# KiCad board s100_ColorMagic-1.0-001.kicad_pcb (continued)
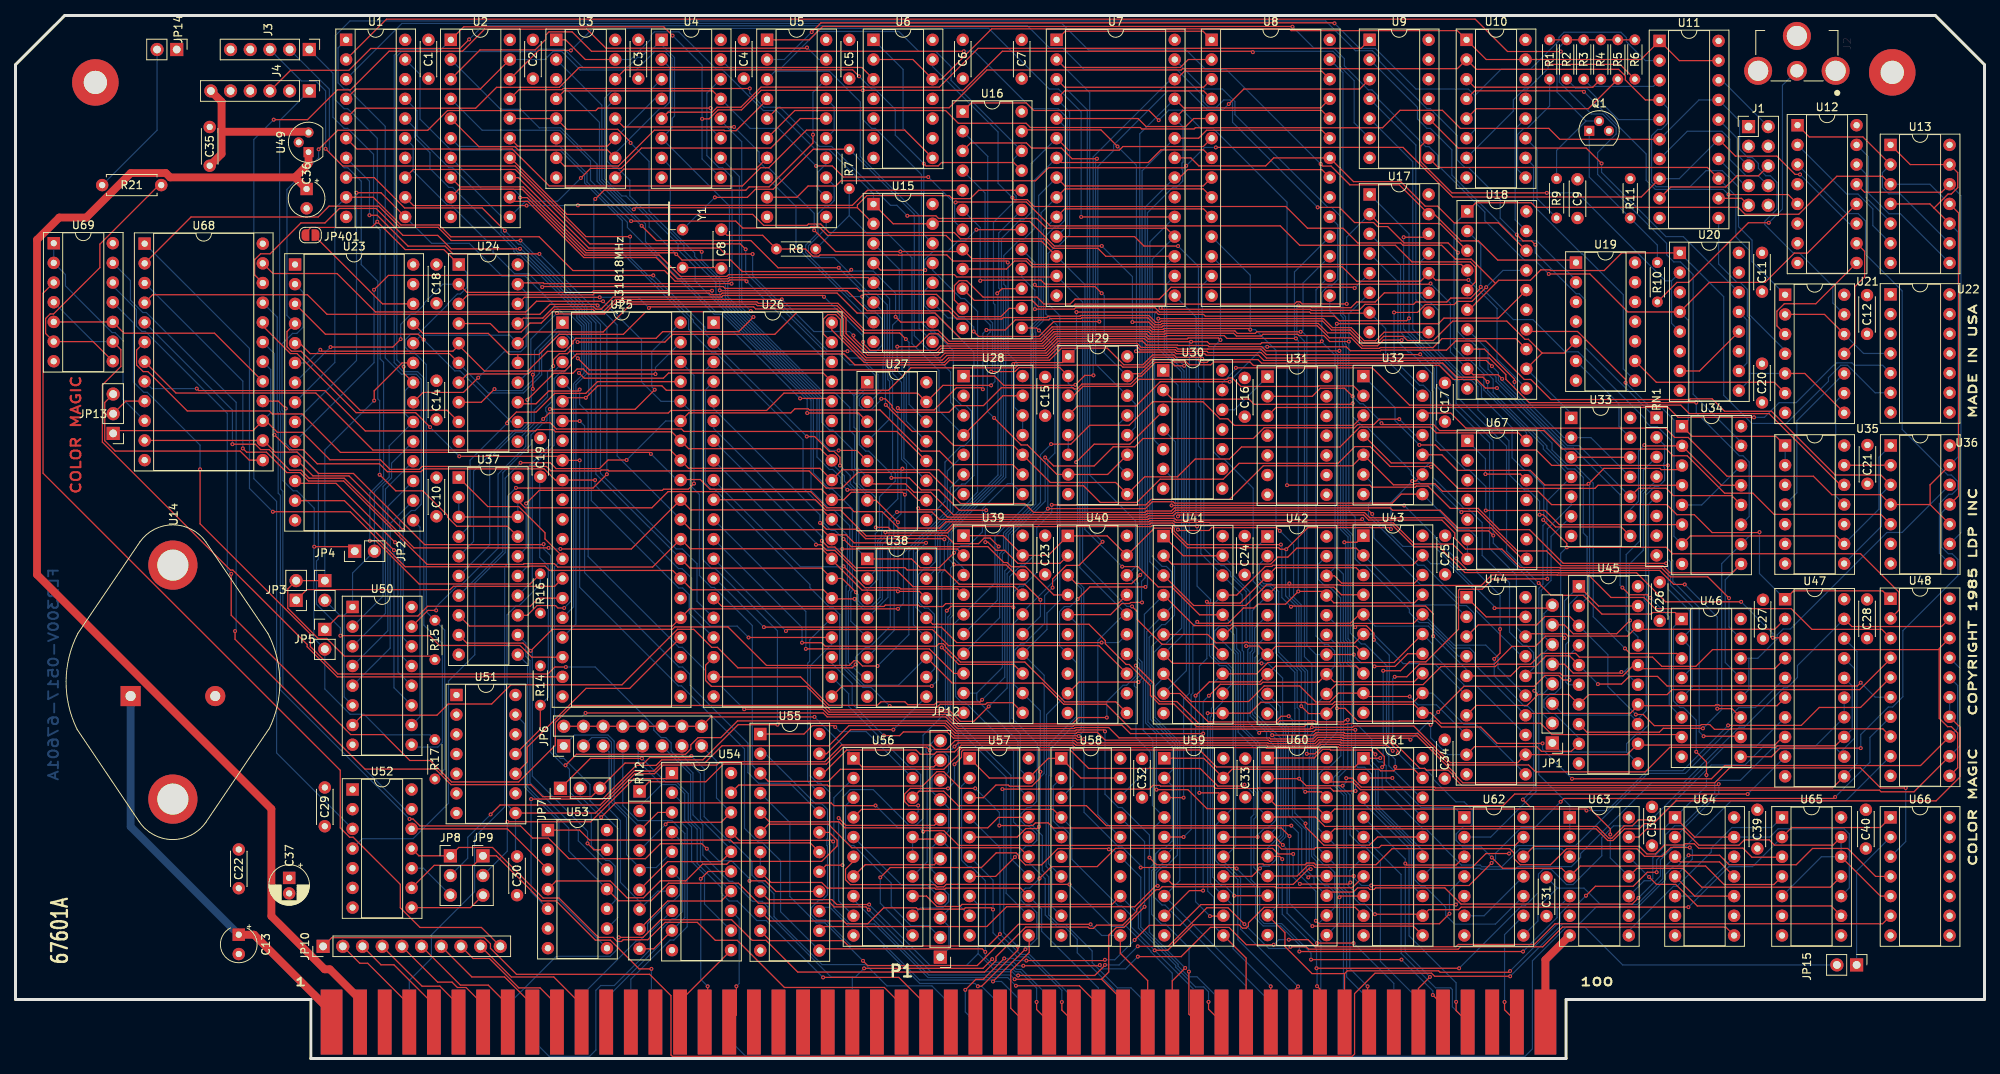
[diagram p0: board, top side]
## Routing (per net, layer and track width the routed paths; a pad name or vN(x,y) marks a point on that pad's centre or on a via; arc(x,y) is an arc through that point) (continued)
  Component w0.152: U47.11 234.42,34.94 183.18,34.94 183.08,35.03 173.6,35.03 172.45,36.18 v1(171.66,36.18) ; v1(171.2,35.21) 166.5,35.21 v1(165.59,36.12) 161.66,36.12 U60.2
  Copper w0.152: U47.18 237.55,52.55 237.55,38.07 U47.11 ; U42.2 160.44,63.77 160.44,61.85 161.02,61.27 161.96,61.27 162.96,60.28 162.96,52.43 165.33,50.06 165.33,45.32 165.59,45.06 v1(165.59,36.12) ; P1.95 180.98,7.64 176.07,12.55 176.07,25.36 174.11,27.32 173.71,27.32 172.16,28.87 172.16,34 171.2,34.96 v1(171.2,35.21) 171.66,35.67 v1(171.66,36.18)
DI1: length 151.6
  Component w0.152: v1(163.49,27.56) 162.42,28.63 U60.5 ; v1(162.11,41.73) 167.43,41.73 167.76,42.06 171.41,42.06 171.52,41.95 180.92,41.95 184.98,37.89 195.19,37.89 196.08,36.99 210.24,36.99 213.39,40.15 227.07,40.15 227.28,40.36 234.76,40.36 U47.13 ; v1(172.6,14.9) v1(167.9,14.9)
  Copper w0.152: v1(167.9,14.9) 164.03,18.77 164.03,27.02 v1(163.49,27.56) ; U42.5 159.85,55.56 159.85,52.52 159.57,52.25 159.57,44.4 162.11,41.87 v1(162.11,41.73) 162.87,40.97 162.87,29.98 U60.5 ; U47.16 236.94,48.08 236.94,42.54 U47.13 ; v1(172.6,14.9) 177.8,9.7 P1.94
DI2: length 144.9
  Component w0.152: v1(167.83,11.65) v1(186.23,11.65) ; U60.6 163.05,26.09 v1(163.41,25.74) ; P1.41 168.28,8.96 v1(167.9,9.34)
  Copper w0.152: v1(186.23,11.65) 194.27,19.69 194.71,19.69 196.46,21.43 196.46,23.8 197.08,24.42 198.11,24.42 200.08,22.46 200.92,22.46 204.63,26.16 204.63,28.51 206.15,30.03 210.89,30.03 218.74,37.88 223.09,37.88 225.58,40.36 232.22,40.36 U47.14 U47.15 ; U60.6 161.53,27.15 163.23,28.85 163.23,41.34 162.22,42.35 162.14,42.35 159.88,44.61 159.88,51.74 160.37,52.23 160.37,53.54 U42.6 ; v1(163.41,25.74) 163.41,18.62 167.83,14.2 v1(167.83,11.65) 167.9,11.58 v1(167.9,9.34)
DI3: length 144.9
  Component w0.152: 171.45,10.96 171.8,11.32 183.58,11.32 183.77,11.13 192.64,11.13 v1(192.8,11.29) ; 171.45,10.96 167.25,10.96 163.76,14.45 163.76,16.24 U60.9 ; 171.45,10.96 P1.42 ; v1(202.59,21.02) 203.8,22.23 208.69,22.23 210.5,24.04 v1(211.71,24.04)
  Copper w0.152: 235.37,39.49 237.24,41.36 237.24,50.32 U47.17 ; 235.37,39.49 U47.12 ; 235.37,39.49 234.87,39.99 226.59,39.99 222.51,35.9 219.52,35.9 219.2,35.58 219.2,34.25 214.99,30.04 214.01,30.04 212.84,28.87 212.84,26.75 211.71,25.62 v1(211.71,24.04) ; v1(202.59,21.02) 201.46,19.88 200.45,19.88 199.23,18.66 199.23,17.72 v1(192.8,11.29) ; U42.9 163.15,45.41 163.15,43.32 163.85,42.62 163.85,28.61 162.92,27.68 162.92,19.86 U60.9
DI4: length 148.5
  Component w0.152: 169.12,47.06 170.32,48.26 181.57,48.26 183.9,50.59 190.88,50.59 191.19,50.89 195.46,50.89 196.85,52.29 201.26,52.29 201.74,51.81 211.18,51.81 212.37,50.62 216.76,50.62 218.92,52.78 248.16,52.78 ; 248.16,52.78 248.16,52.92 U48.18 ; 248.16,52.78 248.16,43.91 249.24,42.83 249.73,42.83 250.54,42.02 250.54,37.52 U48.11
  Copper w0.152: P1.91 168.38,4.81 168.38,15.1 168.09,15.4 168.09,17.41 U60.12 170.17,19.5 170.17,21.45 169.34,22.28 168.91,22.28 167.81,23.38 167.81,25.47 167.2,26.08 167.2,38.82 167.38,39 167.38,41.49 168.07,42.18 168.07,46.01 169.12,47.06
DI5: length 147.2
  Component w0.152: v1(170.46,45.2) 171.51,45.2 173.17,43.53 178.48,43.53 178.5,43.55 183.18,43.55 183.95,42.79 189.01,42.79 191.13,40.67 v1(196.99,40.67) ; v1(200.79,36.1) 218.77,36.1 220.48,37.81 245.75,37.81 U48.13
  Copper w0.152: U48.13 250.54,42.6 250.54,48.14 U48.16 ; v1(200.79,36.1) 196.99,39.9 v1(196.99,40.67) ; P1.92 171.31,4.84 171.31,21.2 170.48,22.02 170.48,24.76 U60.15 167.81,27.43 167.81,38.56 167.99,38.74 167.99,39.61 170.46,42.08 v1(170.46,45.2) 170.46,53.34 169.12,54.68
DI6: length 154.5
  Component w0.152: U48.14 250.84,42.76 250.84,36.34 247.75,33.25 214.22,33.25 211.28,30.32 210.13,30.32 209.46,29.65 207.57,29.65 206.05,28.13 205.4,28.13 203.88,29.65 170.16,29.65 U60.16
  Copper w0.152: U48.15 U48.14 ; 169.12,57.22 170.37,55.97 170.37,53.94 170.85,53.46 170.85,50.97 170.97,50.85 170.97,39.07 169.38,37.48 168.87,37.48 168.12,36.73 168.12,29.66 U60.16 170.79,26.99 170.79,22.15 171.71,21.22 171.71,10.52 174.62,7.6 P1.93
DI7: length 162.3
  Component w0.152: U48.12 244.91,34.43 240.66,34.43 240.45,34.63 183.05,34.63 182.98,34.7 173.5,34.7 172.5,35.7 169.69,35.7 U60.19 ; v1(174.42,9.31) 174.42,4.91 P1.43
  Copper w0.152: 170,36.25 170,35.29 171.35,33.95 171.35,22.01 172.12,21.25 172.12,11.61 v1(174.42,9.31) ; 170,36.25 U60.19 ; 170,36.25 171.31,37.55 171.31,51 171.19,51.12 171.19,53.58 170.94,53.84 170.94,59.45 169.36,61.03 168.88,61.03 168.07,61.85 168.07,63.78 169.12,64.84 ; U48.17 250.84,50.38 250.84,40.36 U48.12
DISPEN: length 130.6
  Component w0.152: v1(125.54,45.44) 123.61,43.51 121.88,43.51 120.38,45.01 105.08,45.01 102.07,48.03 89.78,48.03 89.02,48.79 89.02,50.76 U26.18 ; v1(178.51,82.52) 175.92,82.52 175.22,81.82 173.13,81.82 172.73,81.41 161.08,81.41 159.69,80.02 145.46,80.02 144.39,78.95 141.61,78.95 139.14,76.48 133.92,76.48 v1(132.83,77.58)
  Copper w0.152: v1(132.83,77.58) 132.83,71.93 128.52,67.62 128.52,63.18 127.92,62.58 127.92,47.82 v1(125.54,45.44) ; v1(178.51,82.52) 180.57,80.46 U32.11
DO0: length 112.8
  Component w0.152: U41.2 149.18,63.81 161.93,63.81 162.83,64.71 164.13,64.71 165.28,65.87 172.95,65.87 U43.2 ; v1(151.36,11.21) 151.36,5.74 P1.36
  Copper w0.152: U43.2 180.28,58.54 185.64,58.54 U44.2 ; v1(151.36,11.21) 151.39,11.23 151.39,14.3 148.35,17.34 147.83,17.34 146.56,18.61 146.56,24.23 147.08,24.75 147.08,26.43 147.79,27.14 148.26,27.14 149.23,28.11 149.23,35.18 U59.2 149.23,37.24 149.23,40.3 146.08,43.44 146.08,48.44 146.24,48.59 146.24,54.37 147.87,56 148.31,56 149.51,57.2 149.51,63.48 U41.2
DO1: length 104.3
  Component w0.152: v1(150.89,11.69) 149.23,10.02 P1.35 ; U43.5 173.35,57.32 172.21,56.18 157.03,56.18 156.72,55.87 152.04,55.87 U41.4
  Copper w0.152: v1(150.89,11.69) 150.88,11.69 146.25,16.31 146.25,24.57 146.77,25.09 146.77,29.7 U59.4 146.66,32.67 146.66,37.49 146.71,37.54 146.71,41.12 145.47,42.36 145.47,48.69 145.63,48.84 145.63,57.34 U41.4 ; U44.4 186.16,51.92 182.27,55.81 175.39,55.81 U43.5
DO2: length 101.7
  Component w0.152: U43.6 172.75,53.65 159.02,53.65 158.95,53.72 158.55,53.72 158.48,53.65 154.86,53.65 153.79,54.73 U41.6
  Copper w0.152: U41.6 146.54,53.17 146.54,48.46 146.39,48.31 146.39,43.78 149.58,40.59 149.58,27.43 U59.6 148.2,25.44 146.86,24.1 146.86,20.85 147.91,19.81 148.28,19.81 158.75,9.34 P1.88 ; U44.6 183.05,50.97 179.01,50.97 175.2,54.78 U43.6
DO3: length 98.2
  Component w0.152: v1(179.85,46.72) 174.32,46.72 U43.9 170.68,47.16 169.55,46.03 167.73,46.03 165.67,48.09 161.08,48.09 159.06,46.07 151.68,46.07 U41.8
  Copper w0.152: v1(179.85,46.72) 180.92,45.65 183.29,45.65 U44.8 ; U41.8 148.1,49.16 147.01,48.07 147.01,44.02 150.19,40.84 150.19,22.96 U59.8 161.93,7.24 P1.89
DO4: length 88.6
  Component w0.152: U59.11 158.75,12.96 P1.38 ; U43.12 180.37,46.03 170.16,46.03 169.85,45.72 166.67,45.72 166.41,45.98 160.64,45.98 159.23,44.57 U41.11 v1(153.79,44.57)
  Copper w0.152: U43.12 182.82,47.16 186.85,43.13 188.35,43.13 U44.11 ; U59.11 154.57,17.14 154.57,20.82 153.79,21.6 v1(153.79,44.57)
DO5: length 96.1
  Component w0.152: P1.39 v1(161.93,9.31) ; U41.13 160.1,49.65 161.56,51.11 177.83,51.11 U43.15
  Copper w0.152: U44.13 188.45,48.11 186.97,48.11 182.75,52.33 182.75,53.53 U43.15 ; v1(161.93,9.31) 157.08,14.15 157.08,19.71 U59.13 154.13,22.66 154.13,44.06 154.27,44.21 154.27,45.18 154.43,45.34 154.43,48.36 U41.13
DO6: length 100.8
  Component w0.152: v1(165.44,9.3) 165.1,8.95 P1.40 ; U43.16 180.34,56.16 172.62,56.16 172.33,55.86 157.15,55.86 156.01,54.73 U41.15
  Copper w0.152: U41.15 155.72,53.86 157.39,52.19 157.39,27.41 156.03,26.05 ; U44.15 191.24,50.4 191.24,51.78 189.66,53.35 185.59,53.35 181.62,57.32 U43.16 ; 156.03,26.05 U59.15 ; 156.03,26.05 156.03,25.25 158.03,23.25 158.03,16.71 v1(165.44,9.3)
DO7: length 110.8
  Component w0.152: U41.17 157.53,59.81 161.23,63.51 162.06,63.51 162.22,63.67 180.23,63.67 U43.19
  Copper w0.152: U44.17 194.31,51.92 188.31,57.92 188.31,60.37 184.81,63.87 182.57,63.87 U43.19 ; U41.17 154.38,58.47 154.38,52.07 155.32,51.13 156.19,51.13 157.08,50.24 157.08,32.39 U59.17 154.79,30.1 154.79,25.57 155.47,24.89 155.9,24.89 157.68,23.1 157.68,15.34 165.1,7.93 P1.90
DOTCLK: length 283.1
  Component w0.152: 196.93,91.05 199.78,91.05 U19.5 ; 196.93,91.05 U18.12 ; 196.93,91.05 195.16,92.83 194.71,92.83 192.37,95.17 185.4,95.17 182.9,92.67 179.56,92.67 179.01,93.21 176.49,93.21 175.62,92.34 173.86,92.34 172.18,94.03 169.76,94.03 168.61,95.18 147.79,95.18 147.62,95.01 147.1,95.01 146.21,95.9 137.41,95.9 137.31,95.81 133.19,95.81 133.02,95.64 127.43,95.64 127.23,95.44 121.45,95.44 120.38,96.51 109.86,96.51 107.28,99.1 90.9,99.1 v1(90.84,99.15) ; v1(108.37,50.86) 107.94,50.43 93.19,50.43 90.54,53.07 89.82,53.07 87.49,55.4 85.4,55.4 78.24,48.23 63.9,48.23 61.43,45.76 55.82,45.76 54.37,44.31 44.75,44.31 U50.7 ; v1(113.83,69.22) 111.01,72.04 U27.7
  Copper w0.152: U4.7 84.47,115.12 84.47,107.1 87.61,103.96 87.61,103.53 90.84,100.3 v1(90.84,99.15) 90.84,98.49 104,85.33 104,82.13 105.01,81.12 105.44,81.12 107.9,78.66 107.9,75.93 108.14,75.69 108.14,74.38 109.88,72.64 U27.7 ; v1(113.83,69.22) 113.83,67.06 112.85,66.08 112.85,55.78 110.12,53.05 109.64,53.05 108.37,51.78 v1(108.37,50.86) ; U33.1 200.68,83.24 U18.12
DOTD0: length 33.1
  Component w0.152: v1(50.04,68.18) 43.02,75.2 38.37,75.2 36.49,77.08 U23.11
  Copper w0.152: U50.14 50.01,54.29 50.01,68.14 v1(50.04,68.18)
DOTD1: length 35.6
  Component w0.152: v1(48.97,66.62) 41.35,74.23 36.37,74.23 U23.12
  Copper w0.152: U50.12 49.33,49.89 49.33,66.26 v1(48.97,66.62)
DOTD2: length 36.4
  Component w0.152: v1(48.82,65.61) 42.43,72 U23.13
  Copper w0.152: U50.11 48.82,47.86 v1(48.82,65.61)
DOTD3: length 27.2
  Copper w0.152: U50.10 52.18,44.12 52.18,68.58 U23.15
DOTD4: length 27.1
  Copper w0.152: U50.5 48.33,52.97 48.33,69.03 U23.16
DOTD5: length 27.1
  Copper w0.152: U50.4 48.03,55.21 48.03,71.27 U23.17
DOTD6: length 27.1
  Copper w0.152: U23.18 47.72,73.5 47.72,57.44 U50.3
DOTD7: length 27.1
  Copper w0.152: U50.2 47.42,59.68 47.42,73.84 48.51,74.93 48.51,76.83 U23.19
ENABLE_BLINK: length 174.4
  Component w0.152: U19.1 200.98,103.05 191.2,103.05 188.73,105.53 186.47,105.53 183.02,108.98 U17.15 178.52,112.76 172.13,112.76 169.71,115.18 168.65,115.18 v1(168.36,115.47)
  Copper w0.152: U1.3 49.84,133.59 134.98,133.59 138.4,130.17 151,130.17 153.51,127.67 156.16,127.67 v1(168.36,115.47)
FB1: length 29.7
  Component w0.152: U33.12 U33.3
  Copper w0.152: U18.7 189.96,91.42 189.96,88.98 190.99,87.95 190.99,87.39 200.68,77.7 U33.3
FB2: length 28.5
  Component w0.152: v1(193.37,87.32) 193.37,87.68 189.49,91.56 U18.8
  Copper w0.152: v1(193.37,87.32) 193.37,86.5 199.73,80.14 U33.2 203.22,80.14 U33.11
G: length 166.7
  Component w0.152: U5.6 100.52,122.35 119.98,122.35 121.62,120.71 130.37,120.71 130.91,120.16 145.1,120.16 145.29,119.98 152.04,119.98 152.2,120.14 176.36,120.14 178.6,122.38 184.07,122.38 186.4,120.05 197.8,120.05 199.21,118.64 U11.6
  Copper w0.152: U11.6 217.16,123.72 U11.17 222.4,121.02 222.4,117.36 223.48,116.28 224.07,116.28 224.83,115.52 224.83,114.9 225.8,113.93 226.38,113.93 227.23,113.08 227.23,109.64 225.66,108.06 225.66,107.64 229.34,103.95 230.14,103.95 234.44,99.66 234.44,97.5 U21.13
G_OUT: length 5.3
  Copper w0.152: J1.7 223.14,112.66 U11.14
GA0: length 71.2
  Component w0.152: U39.11 128.62,45.92 125.34,45.92 125.14,45.72 119.27,45.72 118.91,45.36 112.92,45.36 v1(112.77,45.51)
  Copper w0.152: v1(112.77,45.51) 110.39,47.89 109.31,47.89 106.33,50.87 106.33,57.31 105.49,58.15 105.11,58.15 102.48,60.78 102.48,61.18 90.16,73.5 89.75,73.5 88.98,74.27 88.98,86.28 U26.4
GA1: length 64.2
  Component w0.152: v1(119.48,53.06) 121.68,50.86 128.76,50.86 U39.13 ; v1(103.78,69.13) 104.6,68.31 108.44,68.31 109.66,67.09 119.74,67.09 v1(119.82,67.01)
  Copper w0.152: v1(119.48,53.06) 119.48,62.69 119.82,63.03 v1(119.82,67.01) ; v1(103.78,69.13) 103.78,70.15 90.06,83.88 U26.5
GA2: length 58
  Component w0.152: v1(132.22,59.2) 130.2,61.22 121.73,61.22 119.9,63.05 115.03,63.05 114.72,63.36 108.35,63.36 105.7,66.01 104.82,66.01 v1(104.02,66.81)
  Copper w0.152: U39.15 132.22,57.08 v1(132.22,59.2) ; U26.6 90.06,81.32 104.02,67.36 v1(104.02,66.81)
GA3: length 48.2
  Component w0.152: U39.17 128.87,60.91 115.76,60.91 113.7,62.97 108.31,62.97 105.7,65.57 104.66,65.57 103.92,66.32 v1(103.26,66.32)
  Copper w0.152: v1(103.26,66.32) 103.26,66.54 U26.7
GA4: length 37.3
  Component w0.152: U39.2 121.48,65.76 v1(106.64,65.76)
  Copper w0.152: U26.8 101.5,65.76 v1(106.64,65.76)
GA5: length 38.4
  Component w0.152: U39.4 121.55,60.61 114.2,60.61 114.03,60.77 109.57,60.77 v1(106.82,63.52)
  Copper w0.152: U26.9 101.26,63.46 106.76,63.46 v1(106.82,63.52)
GA6: length 53.1
  Component w0.152: v1(126.83,66.08) 125.73,67.17 124.95,67.17 124.23,66.45 121.08,66.45 120.03,67.5 112.65,67.5 112.6,67.45 109.74,67.45 106.41,70.77 104.54,70.77 103.19,72.12 U26.10
  Copper w0.152: U39.6 126.65,59.13 126.65,65.9 v1(126.83,66.08)
GA7: length 43.3
  Component w0.152: U39.8 121.06,49.7 117.89,52.87 v1(101.95,52.87)
  Copper w0.152: U26.11 101.95,57.69 v1(101.95,52.87)
GA8: length 64.1
  Component w0.152: U40.11 141.94,46.03 135.35,46.03 130.21,51.17 121.9,51.17 119.96,53.11 119.96,53.26 119.68,53.54 119.13,53.54 118.8,53.22 104.45,53.22 104,53.66 v1(101.46,53.66)
  Copper w0.152: v1(101.46,53.66) 101.46,55.64 U26.12
GA9: length 59.6
  Component w0.152: v1(99.38,55.18) 99.58,55.37 118.28,55.37 120.36,53.29 139.75,53.29 U40.13
  Copper w0.152: U26.13 v1(99.38,55.18)
GA10: length 57.2
  Component w0.152: v1(140.1,53.68) 121.41,53.68 119.42,55.67 v1(96.54,55.67)
  Copper w0.152: v1(140.1,53.68) 142.3,53.68 143.37,54.75 ; v1(96.54,55.67) 90.26,61.96 U26.14
GA11: length 54.5
  Component w0.152: 143.37,59.83 142.25,58.71 119.99,58.71 119.61,58.33 116.66,58.33 116.47,58.52 112.2,58.52 112.03,58.34 91.14,58.34 U26.15
GA12: length 89.4
  Component w0.152: v1(67.58,103.85) 56.42,103.85 55.42,104.86 50.64,104.86 46.66,108.84 v1(45.66,108.84)
  Copper w0.152: U26.16 87.91,59.03 87.91,63.86 86.01,65.77 85.22,65.77 75.46,75.53 75.46,94.76 74.3,95.92 74.3,97.13 v1(67.58,103.85) ; U1.7 45.66,113.23 v1(45.66,108.84)
GA13: length 87.4
  Component w0.152: v1(63.13,106.85) 60.2,109.78 50.19,109.78 46.27,113.7 U1.8
  Copper w0.152: v1(63.13,106.85) 64.88,105.1 65.18,105.1 73.39,96.89 73.39,95.89 74.28,95 74.28,72.02 85.57,60.73 86.06,60.73 86.91,59.87 86.91,57.49 U26.17
GRPH: length 141.5
  Component w0.152: v1(172.75,99.43) 172.65,99.54 149.07,99.54 147.55,98.02 136.69,98.02 136.05,97.38 132.66,97.38 131.77,98.27 124.82,98.27 122.7,100.39 121.75,100.39 121.11,99.76 121.11,99.07 ; 121.11,99.07 121.11,97.89 U16.11 ; 121.11,99.07 108.85,99.07 108.52,99.4 91.53,99.4 91.3,99.64 68.01,99.64 v1(67.94,99.57)
  Copper w0.152: U17.5 v1(172.75,99.43) ; v1(67.94,99.57) 66.22,101.29 64.39,101.29 61.6,104.08 61.6,104.73 56.2,110.13 55.72,110.13 51.3,114.55 51.3,117.75 U1.15
HCLK: length 221.8
  Component w0.152: v1(165.87,45.47) 166.82,44.52 169.12,44.52 169.12,44.56 170.26,45.7 180.42,45.7 U43.11 182.55,44.62 183.9,43.27 196.72,43.27 198.18,41.81 214.61,41.81 U46.7 ; v1(189.72,99.55) 187.89,97.72 185.99,97.72 185.58,97.31 181.87,97.31 180.86,96.29 v1(177.83,96.29) ; v1(170.79,20.8) 170.96,20.97 U61.8 ; v1(180.18,74.53) 180.65,74.53 U32.9 ; U39.1 127.38,67.48 U39.19 133.24,64.94 U40.1 140.83,67.45 143.37,64.91 146.91,68.46 149.02,68.46 149.16,68.32 149.16,67.94 151.18,65.93 162.96,65.93 163.16,65.73 v1(163.93,65.73) 166.72,68.52 177.24,68.52 v1(177.43,68.33)
  Copper w0.152: v1(163.93,65.73) 163.84,65.64 163.84,59.72 165.24,58.31 165.24,50.57 165.87,49.95 v1(165.87,45.47) ; U18.17 191.89,101.72 v1(189.72,99.55) ; v1(177.83,96.29) 177.83,90.2 181.14,86.89 181.61,86.89 182.55,85.95 182.55,77.03 181.5,75.98 U32.9 ; v1(177.43,68.33) 177.43,71.78 v1(180.18,74.53) ; 169.12,44.52 169.12,41.49 167.68,40.05 167.68,38.87 167.5,38.69 167.5,26.28 168.85,24.93 169.26,24.93 170.17,24.01 170.17,21.9 170.79,21.28 v1(170.79,20.8) 170.79,17.58 U60.11
HDGRAPHIC: length 84.6
  Component w0.152: v1(187.43,100.49) 183.17,100.49 U17.12 181.27,100.33 173.01,100.33 171.15,102.19 131.11,102.19 130.37,102.93 128.87,102.93 127.84,101.9 U16.9
  Copper w0.152: U18.11 191.12,90.26 191.12,96.79 v1(187.43,100.49)
HI_ADDR: length 105.5
  Component w0.152: v1(167.3,17.08) 180.33,17.08 U61.11 ; v1(126.92,30.07) 131.22,30.07 131.56,30.41 133.22,30.41 133.87,29.75 163.29,29.75 v1(164.35,28.69) ; U54.19 93.29,35.29 104.73,35.29 104.85,35.17 117,35.17 118.85,37.02 119.75,37.02 121.9,34.86 v1(123.81,34.86)
  Copper w0.152: v1(167.3,17.08) 164.34,20.05 164.34,28.68 v1(164.35,28.69) ; v1(123.81,34.86) 126.92,31.75 v1(126.92,30.07)
HRES: length 78.2
  Component w0.152: v1(171.72,97.39) 165.97,97.39 165.69,97.67 165.29,97.67 164.99,97.37 136.69,97.37 136.37,97.05 131.94,97.05 131.15,97.85 123.69,97.85 U16.10 ; U18.3 183.77,107.77 175.89,107.77 U17.2
  Copper w0.152: v1(171.72,97.39) 171.72,106.02 U17.2
HSYNC: length 135.8
  Component w0.152: v1(189.66,70.73) 197.33,70.73 199.15,68.91 U34.6 ; v1(181.21,90.89) 181.17,90.85 161.36,90.85 160.64,91.57 153.82,91.57 149.96,91.57 149.75,91.78 145.22,91.78 144.71,92.29 134.6,92.29 133.05,90.74 120.14,90.74 119.54,90.14 109.62,90.14 106.42,93.34 106.42,95.39 105.79,96.01 104.8,96.01 104.24,95.45 104.24,93.5 U26.39
  Copper w0.152: v1(181.21,90.89) 183.02,89.09 183.02,86.63 183.22,86.42 183.22,79.8 187.01,76.02 187.47,76.02 189.66,73.83 v1(189.66,70.73)
HSYNC_OUT: length 39.1
  Component w0.152: U21.8 230.82,88.42 U21.5
  Copper w0.152: U20.9 223.78,87.66 223.78,88.42 ; U21.5 223.78,88.42 ; 223.78,88.42 223.78,95.46 223.4,95.84 223.4,99.27 222.51,100.17 222.07,100.17 219.7,102.54 U11.11
I: length 132.4
  Component w0.152: v1(102.7,132.48) 103.91,133.68 170.08,133.68 v1(170.15,133.61)
  Copper w0.152: U11.2 210.25,128.8 207.8,131.25 207.8,131.76 207.1,132.46 199.77,132.46 199.11,131.8 199.11,131.37 195.41,127.67 191.63,127.67 188.25,124.29 ; U5.2 99.17,128.94 v1(102.7,132.48) ; v1(170.15,133.61) 173.38,130.38 175.4,130.38 180.66,125.13 187.41,125.13 188.25,124.29 ; U10.6 188.25,119.85 188.25,124.29
I_OUT: length 8.9
  Copper w0.152: U11.18 220.12,126.26 J1.2
IDSELECT: length 22.9
  Component w0.152: v1(105.75,42.77) 105.56,42.96 102.8,42.96 101.71,41.88 U55.1
  Copper w0.152: U56.19 109.72,42.2 106.32,42.2 v1(105.75,42.77)
KBD_CLK: length 304
  Component w0.152: v1(45.71,66.82) 46.49,66.82 52.06,61.25 66.39,61.25 R16.1 ; v1(219.72,35.42) 219.54,35.24 186.57,35.24 185.45,36.36 185.45,36.59 184.82,37.22 182.01,37.22 181.78,37.44 181.17,37.44 177.59,41.03 171.14,41.03 171.03,41.14 168.14,41.14 167.63,40.64 161.65,40.64 161.56,40.74 136.94,40.74 136.63,41.04 121.23,41.04 120.09,39.9 118.64,39.9 118.07,40.48 106.58,40.48 104.41,38.31 90.9,38.31 90.46,37.87 83.54,37.87 82.42,36.76 79.89,36.76 74.82,31.68 U51.8
  Copper w0.152: v1(219.72,35.42) 219.72,34.22 U64.2 ; R16.1 67.7,61.18 64.99,58.47 64.61,58.47 63.4,57.26 63.4,32.78 U51.8 64.5,26.28 C30.1 ; J3.1 40.95,127.18 40.95,121.5 42.4,120.05 42.84,120.05 46.19,116.7 46.19,107.81 47.04,106.96 47.04,90.3 47.48,89.86 47.48,74.77 45.71,73 v1(45.71,66.82)
KBD_DATA: length 81.2
  Component w0.152: U37.17 63.47,68.69 56.91,68.69 55.74,69.87 55.74,70.09 52.55,73.27 49.05,73.27 v1(46.97,75.35)
  Copper w0.152: J3.2 40.49,125.1 40.49,116.89 42.41,114.97 42.86,114.97 44.6,113.23 44.6,102.47 46.73,100.34 46.73,85.14 46.97,84.9 v1(46.97,75.35)
LATCH_CLK: length 107.1
  Component w0.152: v1(107.33,91.29) 71.52,91.29 71.19,90.97 70.15,90.97 69.37,90.19 v1(69.37,89.38) ; U16.14 128.18,96.82 127.12,95.76 121.67,95.76 118.81,98.62 109.5,98.62 v1(109.22,98.34)
  Copper w0.152: v1(69.37,89.38) 68.63,88.63 68.63,85.42 66.91,83.7 66.91,81.94 64.8,79.83 U24.11 ; U5.13 105.6,112.67 105.6,110.73 104.76,109.89 104.38,109.89 103.52,109.03 103.52,106.56 101.93,104.97 101.93,104.03 107.62,98.34 v1(109.22,98.34) 109.22,97.55 110.37,96.4 110.83,96.4 111.79,95.44 111.79,92.07 111.02,91.29 v1(107.33,91.29)
LC1: length 5.9
  Copper w0.152: U5.14 104.57,115.47 103.53,114.43 103.53,112.2 U5.12
LC2: length 5.9
  Copper w0.152: U5.17 105.6,122.83 105.6,119.81 U5.15
LCLK: length 180.2
  Component w0.152: U29.2 134.7,89.18 129.46,89.18 128.94,88.66 v1(125.86,88.66) ; v1(156.64,87.35) 147.67,87.35 144.53,84.2 137,84.2 U29.4 ; v1(161.47,91.86) 171.68,91.86 172.19,91.35 176.08,91.35 176.15,91.43 184.6,91.43 185.78,92.61 189.67,92.61 194.64,87.64 195.48,87.64 198.06,85.05 215.96,85.05 216.05,85.14 218.86,85.14 220.46,83.54 226.51,83.54 234.74,75.31 240.63,75.31 U36.3
  Copper w0.152: v1(156.64,87.35) 156.64,87.43 161.06,91.86 v1(161.47,91.86) ; U16.2 125.42,116.44 125.42,95.56 126.03,94.94 126.03,88.84 v1(125.86,88.66) ; U29.2 135.8,87.16 136.83,86.13 136.83,84.03 U29.4 ; U35.8 240.69,68.67 240.69,72.83 U36.3
LPENSTR: length 214.8
  Component w0.152: v1(183.52,44.72) 186.84,48.04 195.93,48.04 197.33,49.44 199.06,49.44 199.64,48.85 v1(200.46,48.85) ; v1(179.95,41.15) 179.76,41.34 171.27,41.34 171.15,41.45 168.01,41.45 167.51,40.94 161.78,40.94 161.65,41.08 140.58,41.08 139.55,42.11 136.96,42.11 136.83,41.98 121.25,41.98 119.96,43.27 98.47,43.27 v1(98.29,43.09) 93.22,43.09 88.67,38.54 83.35,38.54 82.63,37.83 80.07,37.83 75.73,33.48 v1(66.51,33.48)
  Copper w0.152: U26.3 88.62,88.46 88.62,64.44 89.83,63.23 90.27,63.23 98.29,55.21 v1(98.29,43.09) ; v1(66.51,33.48) 66.51,21.49 U53.5 ; v1(183.52,44.72) v1(179.95,41.15) ; v1(200.46,48.85) 200.46,52.1 U45.4
MA0: length 104.6
  Component w0.152: U7.10 135.34,109.66 153.26,109.66 U8.10
  Copper w0.152: U7.10 132.6,106.92 132.6,95.24 131.53,94.17 131.53,93.75 131.61,93.67 131.61,71.58 127.76,67.73 127.76,65.53 127.31,65.08 127.31,50.47 124,47.16 ; U57.18 129.31,35.05 129.31,40.99 124,46.3 124,47.16 ; 124,47.16 U39.9
MA1: length 113.1
  Component w0.152: U8.9 153.22,112.24 135.38,112.24 U7.9
  Copper w0.152: U7.9 132.3,109.16 132.3,95.36 131.23,94.3 131.23,93.62 131.31,93.54 131.31,71.7 127.46,67.85 127.46,65.66 126.95,65.15 126.95,56.89 U39.7 121.27,51.21 121.27,46.73 122.07,45.93 122.56,45.93 128.75,39.74 128.75,30.53 U57.16
MA2: length 120.7
  Component w0.152: U8.8 153.22,112.62 135.38,112.62 U7.8
  Copper w0.152: U7.8 131.99,111.39 131.99,95.49 130.92,94.42 130.92,93.49 131,93.42 131,72.02 126.34,67.36 126.34,61.36 U39.5 120.96,55.98 120.96,44 128.4,36.56 128.4,25.8 U57.14
MA3: length 131
  Component w0.152: U7.7 134.9,115.64 146.12,115.64 147.75,117.27 153.27,117.27 U8.7
  Copper w0.152: U57.12 127.79,21.33 127.79,36.31 120.57,43.52 120.57,56.84 120.92,57.19 120.92,61.02 U39.3 122.3,63.27 120.57,65 120.57,66.47 120.69,66.6 120.69,67.96 127.74,75.01 127.74,99.67 127.49,99.93 127.49,103.64 129.56,105.71 130.04,105.71 131.4,107.07 131.4,113.34 U7.7
MA4: length 139.2
  Component w0.152: U39.18 129.1,62.4 127.79,63.71 121.12,63.71 v1(121.05,63.77) ; U8.6 153.23,117.71 142.85,117.71 142.38,117.23 135.85,117.23 U7.6
  Copper w0.152: U7.6 131.03,115.51 131.03,109.22 130.05,108.25 129.59,108.25 127.18,105.84 127.18,99.53 127.44,99.28 127.44,75.14 120.39,68.09 120.39,66.73 120.26,66.6 120.26,64.56 v1(121.05,63.77) 120.62,63.34 120.62,57.32 120.27,56.97 120.27,43.4 121.61,42.05 121.61,19.89 U57.9
MA5: length 133
  Component w0.152: U57.7 126.43,23.5 v1(128.92,26) ; U7.5 144.81,121.32 145.84,120.29 150.96,120.29 151.99,121.32 U8.5
  Copper w0.152: v1(128.92,26) 130.34,27.42 131.02,27.42 131.75,28.15 131.75,28.99 130.7,30.04 130.32,30.04 129.66,30.7 129.66,31.54 130.51,32.39 130.94,32.39 131.73,33.18 131.73,36.8 131.72,36.81 131.72,37.21 131.81,37.3 131.81,40.66 128.55,43.93 128.55,55.95 U39.16 129.92,57.6 134.4,62.07 134.4,94.61 132.91,96.1 132.91,106.18 134.08,107.35 134.52,107.35 135.36,108.19 135.36,120.26 U7.5
MA6: length 130.4
  Component w0.152: v1(132.02,29.92) 131.79,29.68 130.32,29.68 129.22,28.58 U57.5 ; U8.4 153.27,124.89 135.33,124.89 U7.4
  Copper w0.152: U7.4 135.98,122.18 135.98,106.29 134.49,104.81 134.11,104.81 133.21,103.91 133.21,97.38 134.71,95.88 134.71,59.15 133.05,57.49 133.05,55.37 U39.14 132.7,49.46 132.7,36.82 132.2,36.32 132.2,30.1 v1(132.02,29.92)
MA7: length 131.1
  Component w0.152: U7.3 135.34,125.35 153.26,125.35 U8.3 ; U57.3 124.84,33.66 126.48,35.3 128.06,35.3 128.21,35.15 131.11,35.15 132.2,36.24 v1(132.2,37.01) ; v1(133.78,60.78) 133.78,61.88 135.55,63.64 137.18,63.64 v1(140.23,66.69)
  Copper w0.152: v1(132.2,37.01) 132.2,44.88 U39.12 128.87,48.21 128.87,52.71 129.68,53.51 130.11,53.51 132.75,56.15 132.75,59.74 v1(133.78,60.78) ; U7.3 138.26,122.44 138.26,68.66 v1(140.23,66.69)
MA8: length 139.2
  Component w0.152: v1(144.86,48.59) 137.2,48.59 U40.9 ; U7.25 150.7,122.7 168.38,122.7 U8.25
  Copper w0.152: U7.25 145.03,119.35 145.03,63.12 144.61,62.71 144.61,61.57 144.82,61.36 144.82,51.66 145.32,51.17 145.32,49.04 v1(144.86,48.59) ; U40.9 133.01,44.39 133.01,36.69 132.95,36.64 132.95,24.8 133.68,24.07 133.68,19.64 U58.9
MA9: length 133.8
  Component w0.152: U8.24 168.49,122.37 150.59,122.37 U7.24 ; v1(137.02,59.29) 138.59,60.86 v1(145.76,60.86)
  Copper w0.152: v1(145.76,60.86) 146.02,61.12 146.02,109.17 149.32,112.47 149.79,112.47 150.57,113.25 150.57,114.7 150.47,114.79 150.47,115.57 150.62,115.71 150.62,120.24 U7.24 ; v1(137.02,59.29) 136.05,58.32 135.31,58.32 134.68,57.69 134.68,53.29 U40.7 136.86,51.11 136.86,44.12 133.31,40.57 133.31,36.54 133.25,36.48 133.25,25.15 U58.7
